# KiCad board tklc_v1_rgb.kicad_pcb
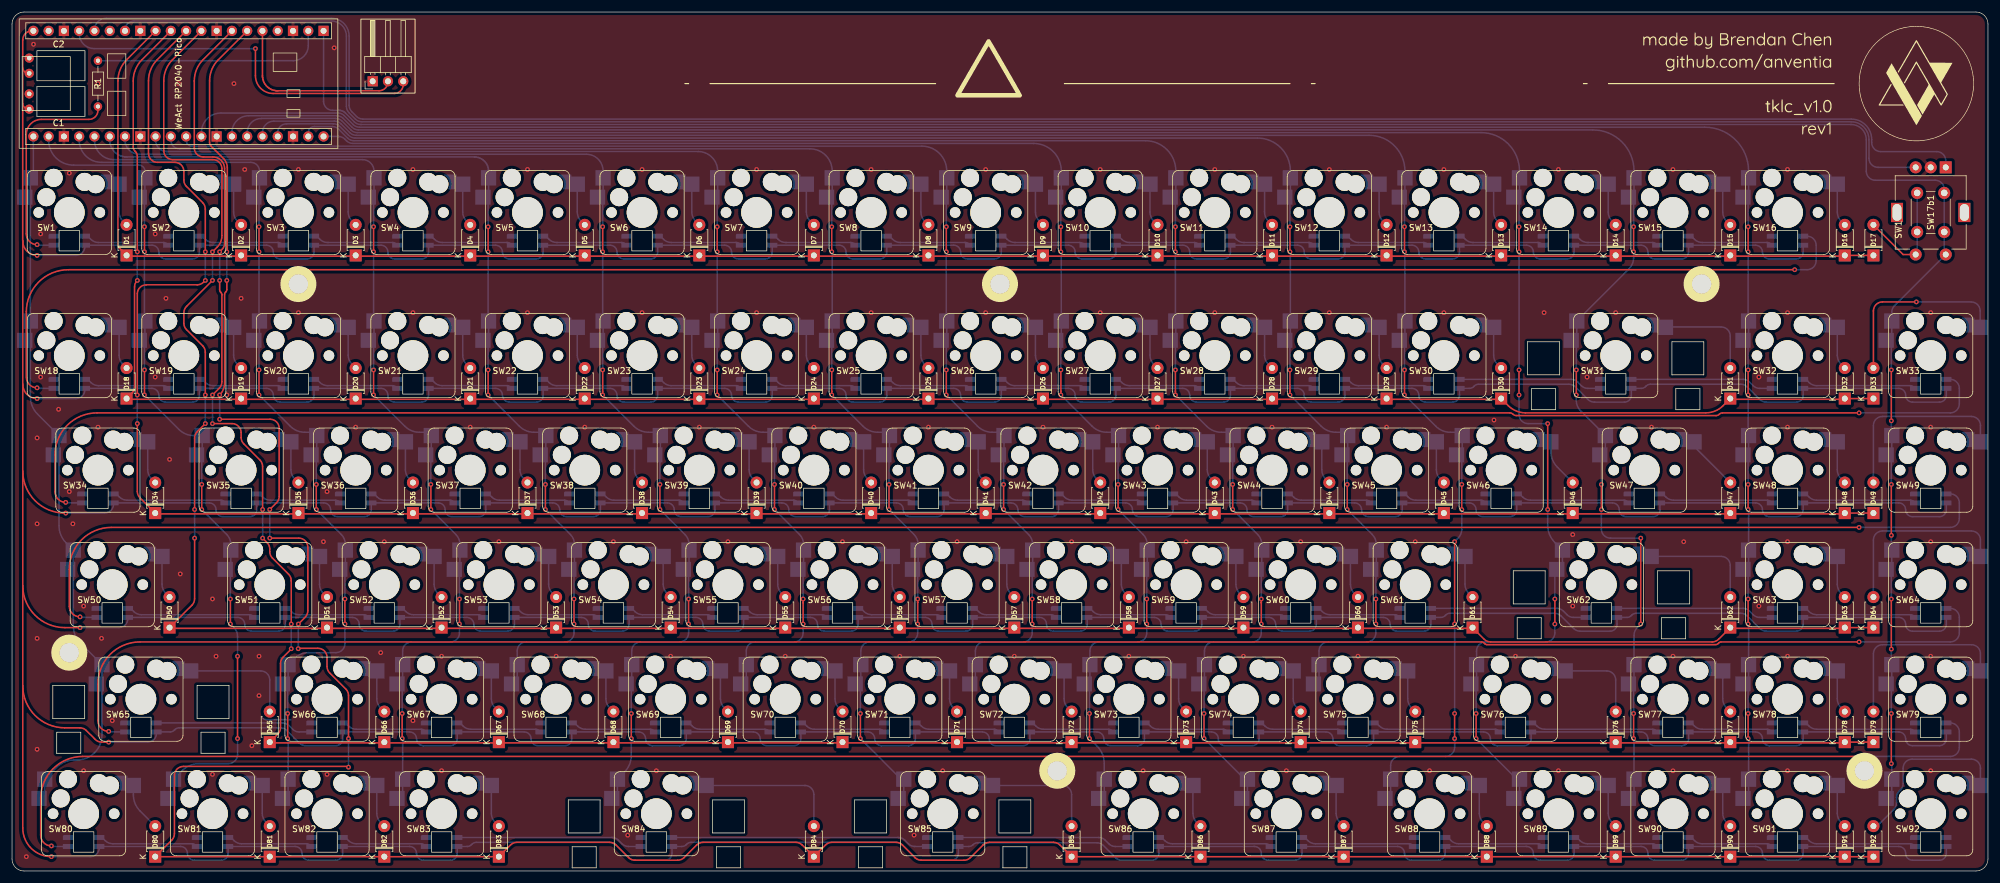
[diagram p0: board, top side]
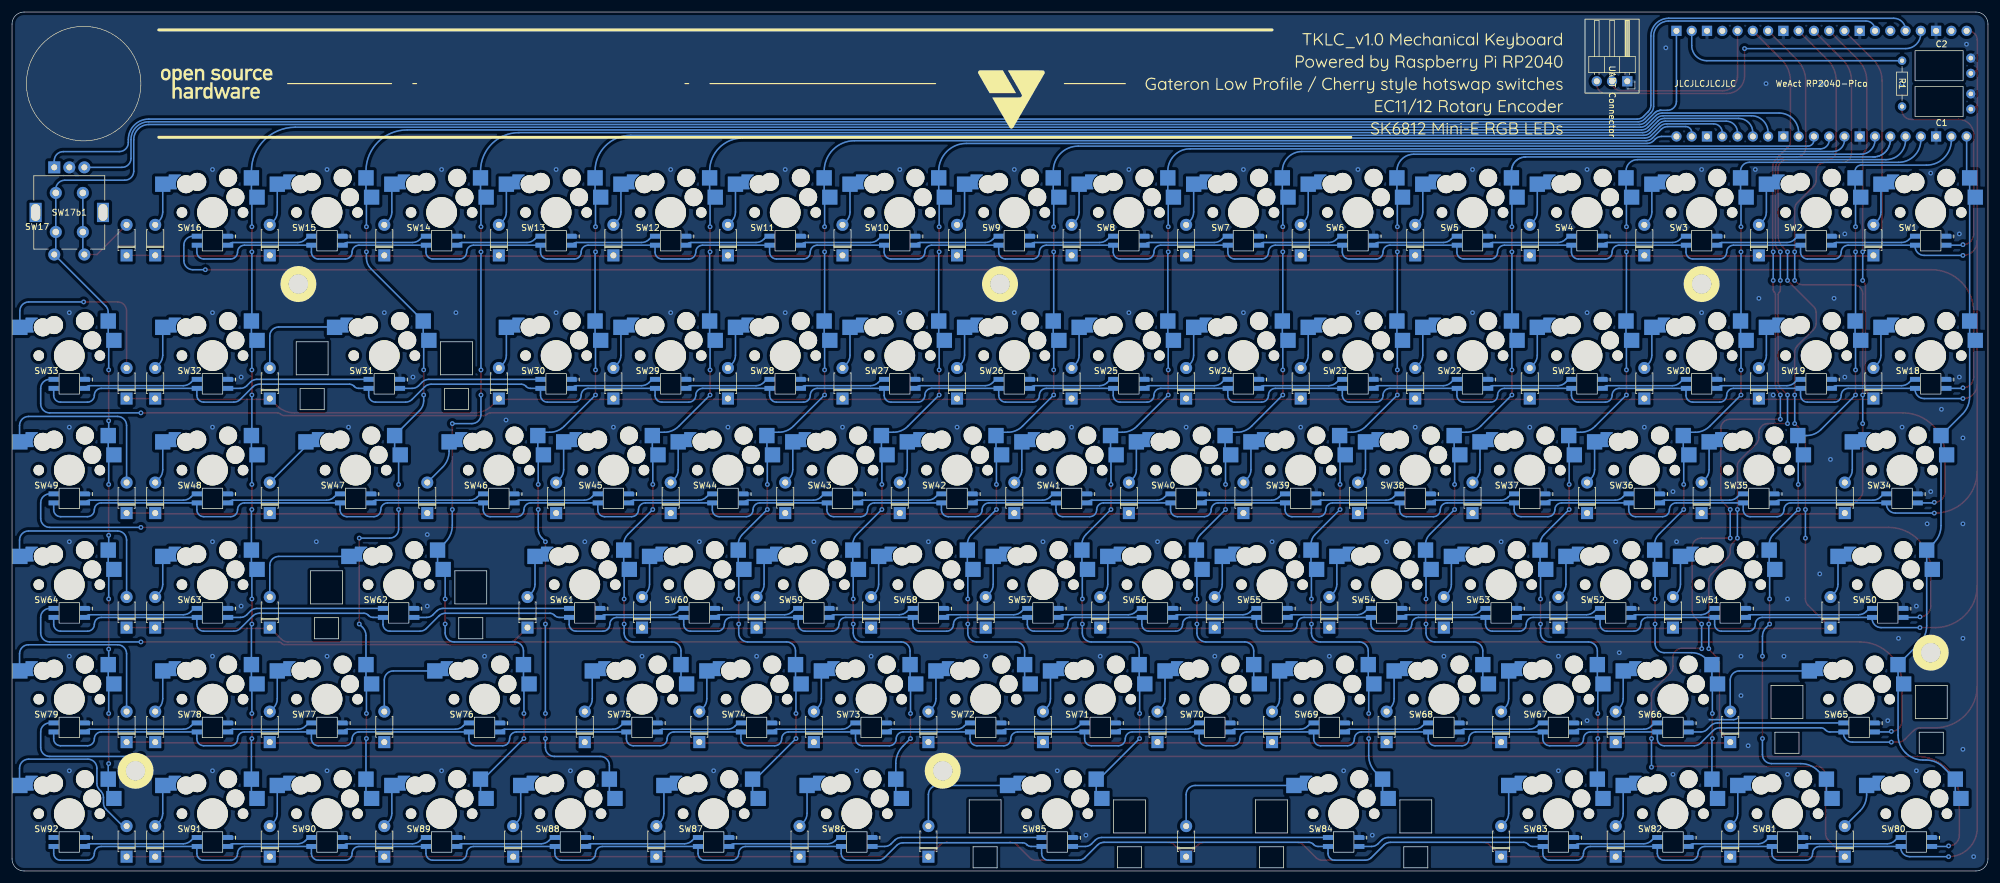
[diagram p1: board, bottom side, seen from below]

Outline 328.61 x 142.88 mm; copper layers: Top, Bottom. Coordinates in mm from the lower left corner of the outline.
Outline path: 0,140.88 arc(0.59,142.29) 2,142.88 326.61,142.88 arc(328.03,142.29) 328.61,140.88 328.61,2 arc(328.03,0.59) 326.61,0 2,0 arc(0.59,0.59) 0,2 0,140.88
Stack: Top 0.035mm / dielectric 1.51mm FR4 er 4.5 / Bottom 0.035mm

## Placement (name value [footprint] x y rotation side)
C1  10uF  [Cap_4mm_Horizontal]  4.13 127.99 0 top
C2  22uF  [Cap_4mm_Horizontal]  4.13 133.95 0 top
D1  1N4148  [D_T-1_P5.08mm_Horizontal]  19.05 102.39 90 top
D2  1N4148  [D_T-1_P5.08mm_Horizontal]  38.1 102.39 90 top
D3  1N4148  [D_T-1_P5.08mm_Horizontal]  57.15 102.39 90 top
D4  1N4148  [D_T-1_P5.08mm_Horizontal]  76.2 102.39 90 top
D5  1N4148  [D_T-1_P5.08mm_Horizontal]  95.25 102.39 90 top
D6  1N4148  [D_T-1_P5.08mm_Horizontal]  114.3 102.39 90 top
D7  1N4148  [D_T-1_P5.08mm_Horizontal]  133.35 102.39 90 top
D8  1N4148  [D_T-1_P5.08mm_Horizontal]  152.4 102.39 90 top
D9  1N4148  [D_T-1_P5.08mm_Horizontal]  171.45 102.39 90 top
D10  1N4148  [D_T-1_P5.08mm_Horizontal]  190.5 102.39 90 top
D11  1N4148  [D_T-1_P5.08mm_Horizontal]  209.55 102.39 90 top
D12  1N4148  [D_T-1_P5.08mm_Horizontal]  228.6 102.39 90 top
D13  1N4148  [D_T-1_P5.08mm_Horizontal]  247.65 102.39 90 top
D14  1N4148  [D_T-1_P5.08mm_Horizontal]  266.7 102.39 90 top
D15  1N4148  [D_T-1_P5.08mm_Horizontal]  285.75 102.39 90 top
D16  1N4148  [D_T-1_P5.08mm_Horizontal]  304.8 102.39 90 top
D17  1N4148  [D_T-1_P5.08mm_Horizontal]  309.56 102.39 90 top
D18  1N4148  [D_T-1_P5.08mm_Horizontal]  19.05 78.58 90 top
D19  1N4148  [D_T-1_P5.08mm_Horizontal]  38.1 78.58 90 top
D20  1N4148  [D_T-1_P5.08mm_Horizontal]  57.15 78.58 90 top
D21  1N4148  [D_T-1_P5.08mm_Horizontal]  76.2 78.58 90 top
D22  1N4148  [D_T-1_P5.08mm_Horizontal]  95.25 78.58 90 top
D23  1N4148  [D_T-1_P5.08mm_Horizontal]  114.3 78.58 90 top
D24  1N4148  [D_T-1_P5.08mm_Horizontal]  133.35 78.58 90 top
D25  1N4148  [D_T-1_P5.08mm_Horizontal]  152.4 78.58 90 top
D26  1N4148  [D_T-1_P5.08mm_Horizontal]  171.45 78.58 90 top
D27  1N4148  [D_T-1_P5.08mm_Horizontal]  190.5 78.58 90 top
D28  1N4148  [D_T-1_P5.08mm_Horizontal]  209.55 78.58 90 top
D29  1N4148  [D_T-1_P5.08mm_Horizontal]  228.6 78.58 90 top
D30  1N4148  [D_T-1_P5.08mm_Horizontal]  247.65 78.58 90 top
D31  1N4148  [D_T-1_P5.08mm_Horizontal]  285.75 78.58 90 top
D32  1N4148  [D_T-1_P5.08mm_Horizontal]  304.8 78.58 90 top
D33  1N4148  [D_T-1_P5.08mm_Horizontal]  309.56 78.58 90 top
D34  1N4148  [D_T-1_P5.08mm_Horizontal]  23.81 59.53 90 top
D35  1N4148  [D_T-1_P5.08mm_Horizontal]  47.63 59.53 90 top
D36  1N4148  [D_T-1_P5.08mm_Horizontal]  66.68 59.53 90 top
D37  1N4148  [D_T-1_P5.08mm_Horizontal]  85.73 59.53 90 top
D38  1N4148  [D_T-1_P5.08mm_Horizontal]  104.78 59.53 90 top
D39  1N4148  [D_T-1_P5.08mm_Horizontal]  123.83 59.53 90 top
D40  1N4148  [D_T-1_P5.08mm_Horizontal]  142.88 59.53 90 top
D41  1N4148  [D_T-1_P5.08mm_Horizontal]  161.93 59.53 90 top
D42  1N4148  [D_T-1_P5.08mm_Horizontal]  180.98 59.53 90 top
D43  1N4148  [D_T-1_P5.08mm_Horizontal]  200.03 59.53 90 top
D44  1N4148  [D_T-1_P5.08mm_Horizontal]  219.08 59.53 90 top
D45  1N4148  [D_T-1_P5.08mm_Horizontal]  238.13 59.53 90 top
D46  1N4148  [D_T-1_P5.08mm_Horizontal]  259.56 59.53 90 top
D47  1N4148  [D_T-1_P5.08mm_Horizontal]  285.75 59.53 90 top
D48  1N4148  [D_T-1_P5.08mm_Horizontal]  304.8 59.53 90 top
D49  1N4148  [D_T-1_P5.08mm_Horizontal]  309.56 59.53 90 top
D50  1N4148  [D_T-1_P5.08mm_Horizontal]  26.19 40.48 90 top
D51  1N4148  [D_T-1_P5.08mm_Horizontal]  52.39 40.48 90 top
D52  1N4148  [D_T-1_P5.08mm_Horizontal]  71.44 40.48 90 top
D53  1N4148  [D_T-1_P5.08mm_Horizontal]  90.49 40.48 90 top
D54  1N4148  [D_T-1_P5.08mm_Horizontal]  109.54 40.48 90 top
D55  1N4148  [D_T-1_P5.08mm_Horizontal]  128.59 40.48 90 top
D56  1N4148  [D_T-1_P5.08mm_Horizontal]  147.64 40.48 90 top
D57  1N4148  [D_T-1_P5.08mm_Horizontal]  166.69 40.48 90 top
D58  1N4148  [D_T-1_P5.08mm_Horizontal]  185.74 40.48 90 top
D59  1N4148  [D_T-1_P5.08mm_Horizontal]  204.79 40.48 90 top
D60  1N4148  [D_T-1_P5.08mm_Horizontal]  223.84 40.48 90 top
D61  1N4148  [D_T-1_P5.08mm_Horizontal]  242.89 40.48 90 top
D62  1N4148  [D_T-1_P5.08mm_Horizontal]  285.75 40.48 90 top
D63  1N4148  [D_T-1_P5.08mm_Horizontal]  304.8 40.48 90 top
D64  1N4148  [D_T-1_P5.08mm_Horizontal]  309.56 40.48 90 top
D65  1N4148  [D_T-1_P5.08mm_Horizontal]  42.86 21.43 90 top
D66  1N4148  [D_T-1_P5.08mm_Horizontal]  61.91 21.43 90 top
D67  1N4148  [D_T-1_P5.08mm_Horizontal]  80.96 21.43 90 top
D68  1N4148  [D_T-1_P5.08mm_Horizontal]  100.01 21.43 90 top
D69  1N4148  [D_T-1_P5.08mm_Horizontal]  119.06 21.43 90 top
D70  1N4148  [D_T-1_P5.08mm_Horizontal]  138.11 21.43 90 top
D71  1N4148  [D_T-1_P5.08mm_Horizontal]  157.16 21.43 90 top
D72  1N4148  [D_T-1_P5.08mm_Horizontal]  176.21 21.43 90 top
D73  1N4148  [D_T-1_P5.08mm_Horizontal]  195.26 21.43 90 top
D74  1N4148  [D_T-1_P5.08mm_Horizontal]  214.31 21.43 90 top
D75  1N4148  [D_T-1_P5.08mm_Horizontal]  233.36 21.43 90 top
D76  1N4148  [D_T-1_P5.08mm_Horizontal]  266.7 21.43 90 top
D77  1N4148  [D_T-1_P5.08mm_Horizontal]  285.75 21.43 90 top
D78  1N4148  [D_T-1_P5.08mm_Horizontal]  304.8 21.43 90 top
D79  1N4148  [D_T-1_P5.08mm_Horizontal]  309.56 21.43 90 top
D80  1N4148  [D_T-1_P5.08mm_Horizontal]  23.81 2.38 90 top
D81  1N4148  [D_T-1_P5.08mm_Horizontal]  42.86 2.38 90 top
D82  1N4148  [D_T-1_P5.08mm_Horizontal]  61.91 2.38 90 top
D83  1N4148  [D_T-1_P5.08mm_Horizontal]  80.96 2.38 90 top
D84  1N4148  [D_T-1_P5.08mm_Horizontal]  133.35 2.38 90 top
D85  1N4148  [D_T-1_P5.08mm_Horizontal]  176.21 2.38 90 top
D86  1N4148  [D_T-1_P5.08mm_Horizontal]  197.64 2.38 90 top
D87  1N4148  [D_T-1_P5.08mm_Horizontal]  221.46 2.38 90 top
D88  1N4148  [D_T-1_P5.08mm_Horizontal]  245.27 2.38 90 top
D89  1N4148  [D_T-1_P5.08mm_Horizontal]  266.7 2.38 90 top
D90  1N4148  [D_T-1_P5.08mm_Horizontal]  285.75 2.38 90 top
D91  1N4148  [D_T-1_P5.08mm_Horizontal]  304.8 2.38 90 top
D92  1N4148  [D_T-1_P5.08mm_Horizontal]  309.56 2.38 90 top
G***  -  [LOGO]  164.31 130.97 0 top
G***#2  -  [LOGO]  164.31 164.31 0 top
G***#3  -  [LOGO]  316.71 130.97 0 top
G***#4  -  [LOGO]  286.94 130.97 0 top
G***#5  -  [LOGO]  316.71 130.97 0 top
G***#6  -  [LOGO]  316.71 130.97 180 bottom
G***#7  -  [LOGO]  164.31 130.97 180 bottom
G***#8  -  [LOGO]  294.68 130.97 180 bottom
G***#9  -  [LOGO]  117.8 130.97 180 bottom
Ge  -  [LOGO]  164.31 130.97 0 top
Ge#2  -  [LOGO]  164.31 130.97 180 bottom
Kailh PG1350  Choc  [kailh_Stabilizer]  266.7 85.73 180 top
Kailh PG1350#2  Choc  [kailh_Stabilizer]  107.16 9.53 180 top
Kailh PG1350#3  Choc  [kailh_Stabilizer]  154.78 9.53 180 top
Kailh PG1350#4  Choc  [kailh_Stabilizer]  264.32 47.63 180 top
Kailh PG1350#5  Choc  [kailh_Stabilizer]  21.43 28.58 180 top
R1  500R  [R_Axial_DIN0204_L3.6mm_D1.6mm_P7.62mm_Horizontal]  14.29 134.78 270 top
REF**  -  [MountingHole]  9.53 36.31 0 top
REF**#2  -  [MountingHole]  308.07 16.67 0 top
REF**#3  -  [MountingHole]  47.63 97.63 0 top
REF**#4  -  [MountingHole]  173.83 16.67 0 top
REF**#5  -  [MountingHole]  280.99 97.63 0 top
REF**#6  -  [MountingHole]  164.31 97.63 0 top
SW1  CherryMX_LED  [CMX-GLP_Hotswap_RGB_1.00u]  9.53 109.54 0 top
SW2  CherryMX_LED  [CMX-GLP_Hotswap_RGB_1.00u]  28.58 109.54 0 top
SW3  CherryMX_LED  [CMX-GLP_Hotswap_RGB_1.00u]  47.63 109.54 0 top
SW4  CherryMX_LED  [CMX-GLP_Hotswap_RGB_1.00u]  66.68 109.54 0 top
SW5  CherryMX_LED  [CMX-GLP_Hotswap_RGB_1.00u]  85.73 109.54 0 top
SW6  CherryMX_LED  [CMX-GLP_Hotswap_RGB_1.00u]  104.78 109.54 0 top
SW7  CherryMX_LED  [CMX-GLP_Hotswap_RGB_1.00u]  123.83 109.54 0 top
SW8  CherryMX_LED  [CMX-GLP_Hotswap_RGB_1.00u]  142.88 109.54 0 top
SW9  CherryMX_LED  [CMX-GLP_Hotswap_RGB_1.00u]  161.93 109.54 0 top
SW10  CherryMX_LED  [CMX-GLP_Hotswap_RGB_1.00u]  180.98 109.54 0 top
SW11  CherryMX_LED  [CMX-GLP_Hotswap_RGB_1.00u]  200.03 109.54 0 top
SW12  CherryMX_LED  [CMX-GLP_Hotswap_RGB_1.00u]  219.08 109.54 0 top
SW13  CherryMX_LED  [CMX-GLP_Hotswap_RGB_1.00u]  238.13 109.54 0 top
SW14  CherryMX_LED  [CMX-GLP_Hotswap_RGB_1.00u]  257.18 109.54 0 top
SW15  CherryMX_LED  [CMX-GLP_Hotswap_RGB_1.00u]  276.23 109.54 0 top
SW16  CherryMX_LED  [CMX-GLP_Hotswap_RGB_1.00u]  295.28 109.54 0 top
SW17  RotaryEncoder_Switch  [EDIT_RotaryEncoder_Alps_EC11E-Switch_Vertical_H20mm]  319.09 109.54 270 top
SW17b1  SW_Push  [SW_PUSH_6mm]  321.34 112.79 270 top
SW18  CherryMX_LED  [CMX-GLP_Hotswap_RGB_1.00u]  9.53 85.73 0 top
SW19  CherryMX_LED  [CMX-GLP_Hotswap_RGB_1.00u]  28.58 85.73 0 top
SW20  CherryMX_LED  [CMX-GLP_Hotswap_RGB_1.00u]  47.63 85.73 0 top
SW21  CherryMX_LED  [CMX-GLP_Hotswap_RGB_1.00u]  66.68 85.73 0 top
SW22  CherryMX_LED  [CMX-GLP_Hotswap_RGB_1.00u]  85.73 85.73 0 top
SW23  CherryMX_LED  [CMX-GLP_Hotswap_RGB_1.00u]  104.78 85.73 0 top
SW24  CherryMX_LED  [CMX-GLP_Hotswap_RGB_1.00u]  123.83 85.73 0 top
SW25  CherryMX_LED  [CMX-GLP_Hotswap_RGB_1.00u]  142.88 85.73 0 top
SW26  CherryMX_LED  [CMX-GLP_Hotswap_RGB_1.00u]  161.93 85.73 0 top
SW27  CherryMX_LED  [CMX-GLP_Hotswap_RGB_1.00u]  180.98 85.73 0 top
SW28  CherryMX_LED  [CMX-GLP_Hotswap_RGB_1.00u]  200.03 85.73 0 top
SW29  CherryMX_LED  [CMX-GLP_Hotswap_RGB_1.00u]  219.08 85.73 0 top
SW30  CherryMX_LED  [CMX-GLP_Hotswap_RGB_1.00u]  238.13 85.73 0 top
SW31  CherryMX_LED  [CMX-GLP_Hotswap_RGB_2.00u]  266.7 85.73 0 top
SW32  CherryMX_LED  [CMX-GLP_Hotswap_RGB_1.00u]  295.28 85.73 0 top
SW33  CherryMX_LED  [CMX-GLP_Hotswap_RGB_1.00u#2]  319.09 85.73 0 top
SW34  CherryMX_LED  [CMX-GLP_Hotswap_RGB_1.50u]  14.29 66.68 0 top
SW35  CherryMX_LED  [CMX-GLP_Hotswap_RGB_1.00u]  38.1 66.68 0 top
SW36  CherryMX_LED  [CMX-GLP_Hotswap_RGB_1.00u]  57.15 66.68 0 top
SW37  CherryMX_LED  [CMX-GLP_Hotswap_RGB_1.00u]  76.2 66.68 0 top
SW38  CherryMX_LED  [CMX-GLP_Hotswap_RGB_1.00u]  95.25 66.68 0 top
SW39  CherryMX_LED  [CMX-GLP_Hotswap_RGB_1.00u]  114.3 66.68 0 top
SW40  CherryMX_LED  [CMX-GLP_Hotswap_RGB_1.00u]  133.35 66.68 0 top
SW41  CherryMX_LED  [CMX-GLP_Hotswap_RGB_1.00u]  152.4 66.68 0 top
SW42  CherryMX_LED  [CMX-GLP_Hotswap_RGB_1.00u]  171.45 66.68 0 top
SW43  CherryMX_LED  [CMX-GLP_Hotswap_RGB_1.00u]  190.5 66.68 0 top
SW44  CherryMX_LED  [CMX-GLP_Hotswap_RGB_1.00u]  209.55 66.68 0 top
SW45  CherryMX_LED  [CMX-GLP_Hotswap_RGB_1.00u]  228.6 66.68 0 top
SW46  CherryMX_LED  [CMX-GLP_Hotswap_RGB_1.00u]  247.65 66.68 0 top
SW47  CherryMX_LED  [CMX-GLP_Hotswap_RGB_1.50u]  271.46 66.68 0 top
SW48  CherryMX_LED  [CMX-GLP_Hotswap_RGB_1.00u]  295.28 66.68 0 top
SW49  CherryMX_LED  [CMX-GLP_Hotswap_RGB_1.00u#2]  319.09 66.68 0 top
SW50  CherryMX_LED  [CMX-GLP_Hotswap_RGB_1.75u]  16.67 47.63 0 top
SW51  CherryMX_LED  [CMX-GLP_Hotswap_RGB_1.00u]  42.86 47.63 0 top
SW52  CherryMX_LED  [CMX-GLP_Hotswap_RGB_1.00u]  61.91 47.63 0 top
SW53  CherryMX_LED  [CMX-GLP_Hotswap_RGB_1.00u]  80.96 47.63 0 top
SW54  CherryMX_LED  [CMX-GLP_Hotswap_RGB_1.00u]  100.01 47.63 0 top
SW55  CherryMX_LED  [CMX-GLP_Hotswap_RGB_1.00u]  119.06 47.63 0 top
SW56  CherryMX_LED  [CMX-GLP_Hotswap_RGB_1.00u]  138.11 47.63 0 top
SW57  CherryMX_LED  [CMX-GLP_Hotswap_RGB_1.00u]  157.16 47.63 0 top
SW58  CherryMX_LED  [CMX-GLP_Hotswap_RGB_1.00u]  176.21 47.63 0 top
SW59  CherryMX_LED  [CMX-GLP_Hotswap_RGB_1.00u]  195.26 47.63 0 top
SW60  CherryMX_LED  [CMX-GLP_Hotswap_RGB_1.00u]  214.31 47.63 0 top
SW61  CherryMX_LED  [CMX-GLP_Hotswap_RGB_1.00u]  233.36 47.63 0 top
SW62  CherryMX_LED  [CMX-GLP_Hotswap_RGB_2.25u]  264.32 47.63 0 top
SW63  CherryMX_LED  [CMX-GLP_Hotswap_RGB_1.00u]  295.28 47.63 0 top
SW64  CherryMX_LED  [CMX-GLP_Hotswap_RGB_1.00u#2]  319.09 47.63 0 top
SW65  CherryMX_LED  [CMX-GLP_Hotswap_RGB_2.25u]  21.43 28.58 0 top
SW66  CherryMX_LED  [CMX-GLP_Hotswap_RGB_1.00u]  52.39 28.58 0 top
SW67  CherryMX_LED  [CMX-GLP_Hotswap_RGB_1.00u]  71.44 28.58 0 top
SW68  CherryMX_LED  [CMX-GLP_Hotswap_RGB_1.00u]  90.49 28.58 0 top
SW69  CherryMX_LED  [CMX-GLP_Hotswap_RGB_1.00u]  109.54 28.58 0 top
SW70  CherryMX_LED  [CMX-GLP_Hotswap_RGB_1.00u]  128.59 28.58 0 top
SW71  CherryMX_LED  [CMX-GLP_Hotswap_RGB_1.00u]  147.64 28.58 0 top
SW72  CherryMX_LED  [CMX-GLP_Hotswap_RGB_1.00u]  166.69 28.58 0 top
SW73  CherryMX_LED  [CMX-GLP_Hotswap_RGB_1.00u]  185.74 28.58 0 top
SW74  CherryMX_LED  [CMX-GLP_Hotswap_RGB_1.00u]  204.79 28.58 0 top
SW75  CherryMX_LED  [CMX-GLP_Hotswap_RGB_1.00u]  223.84 28.58 0 top
SW76  CherryMX_LED  [CMX-GLP_Hotswap_RGB_1.75u]  250.03 28.58 0 top
SW77  CherryMX_LED  [CMX-GLP_Hotswap_RGB_1.00u]  276.23 28.58 0 top
SW78  CherryMX_LED  [CMX-GLP_Hotswap_RGB_1.00u]  295.28 28.58 0 top
SW79  CherryMX_LED  [CMX-GLP_Hotswap_RGB_1.00u#2]  319.09 28.58 0 top
SW80  CherryMX_LED  [CMX-GLP_Hotswap_RGB_1.25u]  11.91 9.53 0 top
SW81  CherryMX_LED  [CMX-GLP_Hotswap_RGB_1.00u]  33.34 9.53 0 top
SW82  CherryMX_LED  [CMX-GLP_Hotswap_RGB_1.00u]  52.39 9.53 0 top
SW83  CherryMX_LED  [CMX-GLP_Hotswap_RGB_1.00u]  71.44 9.53 0 top
SW84  CherryMX_LED  [CMX-GLP_Hotswap_RGB_2.75u]  107.16 9.53 0 top
SW85  CherryMX_LED  [CMX-GLP_Hotswap_RGB_2.25u]  154.78 9.53 0 top
SW86  CherryMX_LED  [CMX-GLP_Hotswap_RGB_1.25u]  188.12 9.53 0 top
SW87  CherryMX_LED  [CMX-GLP_Hotswap_RGB_1.25u]  211.93 9.53 0 top
SW88  CherryMX_LED  [CMX-GLP_Hotswap_RGB_1.25u]  235.74 9.53 0 top
SW89  CherryMX_LED  [CMX-GLP_Hotswap_RGB_1.00u]  257.18 9.53 0 top
SW90  CherryMX_LED  [CMX-GLP_Hotswap_RGB_1.00u]  276.23 9.53 0 top
SW91  CherryMX_LED  [CMX-GLP_Hotswap_RGB_1.00u]  295.28 9.53 0 top
SW92  CherryMX_LED  [CMX-GLP_Hotswap_RGB_1.00u#2]  319.09 9.53 0 top
UART Connector  UART breakout for extension board  [PinHeader_1x03_P2.54mm_Horizontal]  59.98 131.36 90 top
WeAct RP2040-Pico  -  [WeAct-RP2040-Pico]  27.69 130.97 90 top

## Footprints (pads in the part's own frame, mm; a bottom-side part is the same pattern mirrored in y, then rotated)
Cap_4mm_Horizontal
  round 1.524 hole 0.762: 1(-1.27,-1.27) 2(-1.27,1.27)
CMX-GLP_Hotswap_RGB_1.00u
  round 1.75 hole 1.75 unplated: (-5.08,0) (5.08,0)
  round 3 hole 3 unplated: (-3.81,2.54) (-2.6,5.75) (2.54,5.08) (4.4,4.7)
  round 5.1 hole 5.1 unplated: (0,0)
  custom 2.075x2.5 smd far side: 1(6.015,5.08)
  rect 2.55x2.55 smd far side: 1(8.275,4.7) 2(-6.475,5.75)
  rect 2.55x2.5 smd far side: 2(-7.41,2.54)
  rect 1.7x0.82 smd far side: 3(2.6,-5.45) 4(-2.6,-5.45) 5(2.6,-3.95)
  rrect 1.7x0.82 smd far side: 6(-2.6,-3.95)
CMX-GLP_Hotswap_RGB_1.00u#2
  round 1.75 hole 1.75 unplated: (-5.08,0) (5.08,0)
  round 3 hole 3 unplated: (-3.81,2.54) (-2.6,5.75) (2.54,5.08) (4.4,4.7)
  round 5.1 hole 5.1 unplated: (0,0)
  custom 2.075x2.5 smd far side: 1(6.015,5.08)
  rect 2.55x2.55 smd far side: 1(8.225,4.7) 2(-6.475,5.75)
  rect 2.55x2.5 smd far side: 2(-7.41,2.54)
  rect 1.7x0.82 smd far side: 3(2.6,-5.45) 4(-2.6,-5.45) 5(2.6,-3.95)
  rrect 1.7x0.82 smd far side: 6(-2.6,-3.95)
CMX-GLP_Hotswap_RGB_1.25u
  round 1.75 hole 1.75 unplated: (-5.08,0) (5.08,0)
  round 3 hole 3 unplated: (-3.81,2.54) (-2.6,5.75) (2.54,5.08) (4.4,4.7)
  round 5.1 hole 5.1 unplated: (0,0)
  custom 2.075x2.5 smd far side: 1(6.015,5.08)
  rect 2.55x2.55 smd far side: 1(8.275,4.7) 2(-6.475,5.75)
  rect 2.55x2.5 smd far side: 2(-7.41,2.54)
  rect 1.7x0.82 smd far side: 3(2.6,-5.45) 4(-2.6,-5.45) 5(2.6,-3.95)
  rrect 1.7x0.82 smd far side: 6(-2.6,-3.95)
CMX-GLP_Hotswap_RGB_1.50u
  round 1.75 hole 1.75 unplated: (-5.08,0) (5.08,0)
  round 3 hole 3 unplated: (-3.81,2.54) (-2.6,5.75) (2.54,5.08) (4.4,4.7)
  round 5.1 hole 5.1 unplated: (0,0)
  custom 2.075x2.5 smd far side: 1(6.015,5.08)
  rect 2.55x2.55 smd far side: 1(8.275,4.7) 2(-6.475,5.75)
  rect 2.55x2.5 smd far side: 2(-7.41,2.54)
  rect 1.7x0.82 smd far side: 3(2.6,-5.45) 4(-2.6,-5.45) 5(2.6,-3.95)
  rrect 1.7x0.82 smd far side: 6(-2.6,-3.95)
CMX-GLP_Hotswap_RGB_1.75u
  round 1.75 hole 1.75 unplated: (-5.08,0) (5.08,0)
  round 3 hole 3 unplated: (-3.81,2.54) (-2.6,5.75) (2.54,5.08) (4.4,4.7)
  round 5.1 hole 5.1 unplated: (0,0)
  custom 2.075x2.5 smd far side: 1(6.015,5.08)
  rect 2.55x2.55 smd far side: 1(8.275,4.7) 2(-6.475,5.75)
  rect 2.55x2.5 smd far side: 2(-7.41,2.54)
  rect 1.7x0.82 smd far side: 3(2.6,-5.45) 4(-2.6,-5.45) 5(2.6,-3.95)
  rrect 1.7x0.82 smd far side: 6(-2.6,-3.95)
CMX-GLP_Hotswap_RGB_2.00u
  round 1.75 hole 1.75 unplated: (-5.08,0) (5.08,0)
  round 3 hole 3 unplated: (-3.81,2.54) (-2.6,5.75) (2.54,5.08) (4.4,4.7)
  round 5.1 hole 5.1 unplated: (0,0)
  custom 2.075x2.5 smd far side: 1(6.015,5.08)
  rect 2.55x2.55 smd far side: 1(8.275,4.7) 2(-6.475,5.75)
  rect 2.55x2.5 smd far side: 2(-7.41,2.54)
  rect 1.7x0.82 smd far side: 3(2.6,-5.45) 4(-2.6,-5.45) 5(2.6,-3.95)
  rrect 1.7x0.82 smd far side: 6(-2.6,-3.95)
CMX-GLP_Hotswap_RGB_2.25u
  round 1.75 hole 1.75 unplated: (-5.08,0) (5.08,0)
  round 3 hole 3 unplated: (-3.81,2.54) (-2.6,5.75) (2.54,5.08) (4.4,4.7)
  round 5.1 hole 5.1 unplated: (0,0)
  custom 2.075x2.5 smd far side: 1(6.015,5.08)
  rect 2.55x2.55 smd far side: 1(8.275,4.7) 2(-6.475,5.75)
  rect 2.55x2.5 smd far side: 2(-7.41,2.54)
  rect 1.7x0.82 smd far side: 3(2.6,-5.45) 4(-2.6,-5.45) 5(2.6,-3.95)
  rrect 1.7x0.82 smd far side: 6(-2.6,-3.95)
CMX-GLP_Hotswap_RGB_2.75u
  round 1.75 hole 1.75 unplated: (-5.08,0) (5.08,0)
  round 3 hole 3 unplated: (-3.81,2.54) (-2.6,5.75) (2.54,5.08) (4.4,4.7)
  round 5.1 hole 5.1 unplated: (0,0)
  custom 2.075x2.5 smd far side: 1(6.015,5.08)
  rect 2.55x2.55 smd far side: 1(8.275,4.7) 2(-6.475,5.75)
  rect 2.55x2.5 smd far side: 2(-7.41,2.54)
  rect 1.7x0.82 smd far side: 3(2.6,-5.45) 4(-2.6,-5.45) 5(2.6,-3.95)
  rrect 1.7x0.82 smd far side: 6(-2.6,-3.95)
D_T-1_P5.08mm_Horizontal
  rect 2x2 hole 1: 1(0,0)
  oval 2x2 hole 1: 2(5.08,0)
EDIT_RotaryEncoder_Alps_EC11E-Switch_Vertical_H20mm
  rect 2x2 hole 1: A(-7.5,2.5)
  round 2 hole 1: B(-7.5,-2.5) C(-7.5,0) S1(7,2.5) S2(7,-2.5)
  rect 3.2x2 hole 2.8x1.5: MP(0,5.6) MP(0,-5.6)
MountingHole
  round 3.2 hole 3.2 unplated: (0,0)
PinHeader_1x03_P2.54mm_Horizontal
  rect 1.7x1.7 hole 1: 1(0,0)
  oval 1.7x1.7 hole 1: 2(0,-2.54) 3(0,-5.08)
R_Axial_DIN0204_L3.6mm_D1.6mm_P7.62mm_Horizontal
  round 1.4 hole 0.7: 1(0,0)
  oval 1.4x1.4 hole 0.7: 2(7.62,0)
SW_PUSH_6mm
  round 2 hole 1.1: 1(0,0) 1(6.5,0) 2(0,-4.5) 2(6.5,-4.5)
WeAct-RP2040-Pico
  round 1.7 hole 1: 1(-8.79,24.142) 40(8.774,24.142)
  oval 1.7x1.7 hole 1: 2(-8.79,21.602) 4(-8.79,16.522) 5(-8.79,13.982) 6(-8.79,11.442) 7(-8.79,8.902) 9(-8.79,3.822) 10(-8.79,1.282) 11(-8.79,-1.258) 12(-8.79,-3.798) 14(-8.79,-8.878) 15(-8.79,-11.418) 16(-8.79,-13.958) 17(-8.79,-16.498) 19(-8.79,-21.578) 20(-8.79,-24.118) 22(8.774,-21.578) 24(8.774,-16.498) 25(8.774,-13.958) 26(8.774,-11.418) 27(8.774,-8.878) 29(8.774,-3.798) 30(8.774,-1.258) 31(8.774,1.282) 32(8.774,3.822) 34(8.774,8.902) 35(8.774,11.442) 36(8.774,13.982) 37(8.774,16.522) 39(8.774,21.602)
  rect 1.7x1.7 hole 1: 3(-8.79,19.062) 8(-8.79,6.362) 13(-8.79,-6.338) 18(-8.79,-19.038) 21(8.774,-24.118) 23(8.774,-19.038) 28(8.774,-6.338) 33(8.774,6.362) 38(8.774,19.062)

## Nets
/3V3: UART Connector.3 WeAct RP2040-Pico.37
GND: C1.2 C2.2 SW1.6 SW2.6 SW3.6 SW4.6 SW5.6 SW6.6 SW7.6 SW8.6 SW9.6 SW10.6 SW11.6 SW12.6 SW13.6 SW14.6 SW15.6 SW16.6 SW17.C SW18.6 SW19.6 SW20.6 SW21.6 SW22.6 SW23.6 SW24.6 SW25.6 SW26.6 SW27.6 SW28.6 SW29.6 SW30.6 SW31.6 SW32.6 SW33.6 SW34.6 SW35.6 SW36.6 SW37.6 SW38.6 SW39.6 SW40.6 SW41.6 SW42.6 SW43.6 SW44.6 SW45.6 SW46.6 SW47.6 SW48.6 SW49.6 SW50.6 SW51.6 SW52.6 SW53.6 SW54.6 SW55.6 SW56.6 SW57.6 SW58.6 SW59.6 SW60.6 SW61.6 SW62.6 SW63.6 SW64.6 SW65.6 SW66.6 SW67.6 SW68.6 SW69.6 SW70.6 SW71.6 SW72.6 SW73.6 SW74.6 SW75.6 SW76.6 SW77.6 SW78.6 SW79.6 SW80.6 SW81.6 SW82.6 SW83.6 SW84.6 SW85.6 SW86.6 SW87.6 SW88.6 SW89.6 SW90.6 SW91.6 SW92.6 UART Connector.1 WeAct RP2040-Pico.3 WeAct RP2040-Pico.8 WeAct RP2040-Pico.13 WeAct RP2040-Pico.18 WeAct RP2040-Pico.23 WeAct RP2040-Pico.28 WeAct RP2040-Pico.33 WeAct RP2040-Pico.38
/ADC_VREF: WeAct RP2040-Pico.35
/col0: SW1.2 SW18.2 SW34.2 SW50.2 SW65.2 SW80.2 WeAct RP2040-Pico.1
/col1: SW2.2 SW19.2 SW35.2 SW51.2 SW81.2 WeAct RP2040-Pico.2
/col2: SW3.2 SW20.2 SW36.2 SW52.2 SW66.2 SW82.2 WeAct RP2040-Pico.4
/col3: SW4.2 SW21.2 SW37.2 SW53.2 SW67.2 SW83.2 WeAct RP2040-Pico.5
/col4: SW5.2 SW22.2 SW38.2 SW54.2 SW68.2 WeAct RP2040-Pico.6
/col5: SW6.2 SW23.2 SW39.2 SW55.2 SW69.2 SW84.2 WeAct RP2040-Pico.7
/col6: SW7.2 SW24.2 SW40.2 SW56.2 SW70.2 WeAct RP2040-Pico.9
/col7: SW8.2 SW25.2 SW41.2 SW57.2 SW71.2 SW85.2 WeAct RP2040-Pico.10
/col8: SW9.2 SW26.2 SW42.2 SW58.2 SW72.2 WeAct RP2040-Pico.11
/col9: SW10.2 SW27.2 SW43.2 SW59.2 SW73.2 SW86.2 WeAct RP2040-Pico.20
/col10: SW11.2 SW28.2 SW44.2 SW60.2 SW74.2 SW87.2 WeAct RP2040-Pico.19
/col11: SW12.2 SW29.2 SW45.2 SW61.2 SW75.2 WeAct RP2040-Pico.17
/col12: SW13.2 SW30.2 SW46.2 SW88.2 WeAct RP2040-Pico.16
/col13: SW14.2 SW62.2 SW76.2 SW89.2 WeAct RP2040-Pico.15
/col14: SW15.2 SW31.2 SW47.2 SW77.2 SW90.2 WeAct RP2040-Pico.14
/col15: SW16.2 SW32.2 SW48.2 SW63.2 SW78.2 SW91.2 WeAct RP2040-Pico.12
/col16: SW17.S1 SW17b1.1 SW33.2 SW49.2 SW64.2 SW79.2 SW92.2 WeAct RP2040-Pico.21
/EncoderA: SW17.A WeAct RP2040-Pico.36
/EncoderB: SW17.B WeAct RP2040-Pico.34
/LED_CONTROL: WeAct RP2040-Pico.24
/RGB_DATA: R1.2 SW1.4
/RGB_PWR: C1.1 C2.1 SW1.3 SW2.3 SW3.3 SW4.3 SW5.3 SW6.3 SW7.3 SW8.3 SW9.3 SW10.3 SW11.3 SW12.3 SW13.3 SW14.3 SW15.3 SW16.3 SW18.3 SW19.3 SW20.3 SW21.3 SW22.3 SW23.3 SW24.3 SW25.3 SW26.3 SW27.3 SW28.3 SW29.3 SW30.3 SW31.3 SW32.3 SW33.3 SW34.3 SW35.3 SW36.3 SW37.3 SW38.3 SW39.3 SW40.3 SW41.3 SW42.3 SW43.3 SW44.3 SW45.3 SW46.3 SW47.3 SW48.3 SW49.3 SW50.3 SW51.3 SW52.3 SW53.3 SW54.3 SW55.3 SW56.3 SW57.3 SW58.3 SW59.3 SW60.3 SW61.3 SW62.3 SW63.3 SW64.3 SW65.3 SW66.3 SW67.3 SW68.3 SW69.3 SW70.3 SW71.3 SW72.3 SW73.3 SW74.3 SW75.3 SW76.3 SW77.3 SW78.3 SW79.3 SW80.3 SW81.3 SW82.3 SW83.3 SW84.3 SW85.3 SW86.3 SW87.3 SW88.3 SW89.3 SW90.3 SW91.3 SW92.3 WeAct RP2040-Pico.40
/row0: D1.1 D2.1 D3.1 D4.1 D5.1 D6.1 D7.1 D8.1 D9.1 D10.1 D11.1 D12.1 D13.1 D14.1 D15.1 D16.1 D17.1 WeAct RP2040-Pico.32
/row1: D18.1 D19.1 D20.1 D21.1 D22.1 D23.1 D24.1 D25.1 D26.1 D27.1 D28.1 D29.1 D30.1 D31.1 D32.1 D33.1 WeAct RP2040-Pico.31
/row2: D34.1 D35.1 D36.1 D37.1 D38.1 D39.1 D40.1 D41.1 D42.1 D43.1 D44.1 D45.1 D46.1 D47.1 D48.1 D49.1 WeAct RP2040-Pico.30
/row3: D50.1 D51.1 D52.1 D53.1 D54.1 D55.1 D56.1 D57.1 D58.1 D59.1 D60.1 D61.1 D62.1 D63.1 D64.1 WeAct RP2040-Pico.29
/row4: D65.1 D66.1 D67.1 D68.1 D69.1 D70.1 D71.1 D72.1 D73.1 D74.1 D75.1 D76.1 D77.1 D78.1 D79.1 WeAct RP2040-Pico.27
/row5: D80.1 D81.1 D82.1 D83.1 D84.1 D85.1 D86.1 D87.1 D88.1 D89.1 D90.1 D91.1 D92.1 WeAct RP2040-Pico.26
/UART_CONNECT: UART Connector.2 WeAct RP2040-Pico.25
/VSYS: WeAct RP2040-Pico.39
Net-(D1-Pad2): D1.2 SW1.1
Net-(D2-Pad2): D2.2 SW2.1
Net-(D3-Pad2): D3.2 SW3.1
Net-(D4-Pad2): D4.2 SW4.1
Net-(D5-Pad2): D5.2 SW5.1
Net-(D6-Pad2): D6.2 SW6.1
Net-(D7-Pad2): D7.2 SW7.1
Net-(D8-Pad2): D8.2 SW8.1
Net-(D9-Pad2): D9.2 SW9.1
Net-(D10-Pad2): D10.2 SW10.1
Net-(D11-Pad2): D11.2 SW11.1
Net-(D12-Pad2): D12.2 SW12.1
Net-(D13-Pad2): D13.2 SW13.1
Net-(D14-Pad2): D14.2 SW14.1
Net-(D15-Pad2): D15.2 SW15.1
Net-(D16-Pad2): D16.2 SW16.1
Net-(D17-Pad2): D17.2 SW17.S2 SW17b1.2
Net-(D18-Pad2): D18.2 SW18.1
Net-(D19-Pad2): D19.2 SW19.1
Net-(D20-Pad2): D20.2 SW20.1
Net-(D21-Pad2): D21.2 SW21.1
Net-(D22-Pad2): D22.2 SW22.1
Net-(D23-Pad2): D23.2 SW23.1
Net-(D24-Pad2): D24.2 SW24.1
Net-(D25-Pad2): D25.2 SW25.1
Net-(D26-Pad2): D26.2 SW26.1
Net-(D27-Pad2): D27.2 SW27.1
Net-(D28-Pad2): D28.2 SW28.1
Net-(D29-Pad2): D29.2 SW29.1
Net-(D30-Pad2): D30.2 SW30.1
Net-(D31-Pad2): D31.2 SW31.1
Net-(D32-Pad2): D32.2 SW32.1
Net-(D33-Pad2): D33.2 SW33.1
Net-(D34-Pad2): D34.2 SW34.1
Net-(D35-Pad2): D35.2 SW35.1
Net-(D36-Pad2): D36.2 SW36.1
Net-(D37-Pad2): D37.2 SW37.1
Net-(D38-Pad2): D38.2 SW38.1
Net-(D39-Pad2): D39.2 SW39.1
Net-(D40-Pad2): D40.2 SW40.1
Net-(D41-Pad2): D41.2 SW41.1
Net-(D42-Pad2): D42.2 SW42.1
Net-(D43-Pad2): D43.2 SW43.1
Net-(D44-Pad2): D44.2 SW44.1
Net-(D45-Pad2): D45.2 SW45.1
Net-(D46-Pad2): D46.2 SW46.1
Net-(D47-Pad2): D47.2 SW47.1
Net-(D48-Pad2): D48.2 SW48.1
Net-(D49-Pad2): D49.2 SW49.1
Net-(D50-Pad2): D50.2 SW50.1
Net-(D51-Pad2): D51.2 SW51.1
Net-(D52-Pad2): D52.2 SW52.1
Net-(D53-Pad2): D53.2 SW53.1
Net-(D54-Pad2): D54.2 SW54.1
Net-(D55-Pad2): D55.2 SW55.1
Net-(D56-Pad2): D56.2 SW56.1
Net-(D57-Pad2): D57.2 SW57.1
Net-(D58-Pad2): D58.2 SW58.1
Net-(D59-Pad2): D59.2 SW59.1
Net-(D60-Pad2): D60.2 SW60.1
Net-(D61-Pad2): D61.2 SW61.1
Net-(D62-Pad2): D62.2 SW62.1
Net-(D63-Pad2): D63.2 SW63.1
Net-(D64-Pad2): D64.2 SW64.1
Net-(D65-Pad2): D65.2 SW65.1
Net-(D66-Pad2): D66.2 SW66.1
Net-(D67-Pad2): D67.2 SW67.1
Net-(D68-Pad2): D68.2 SW68.1
Net-(D69-Pad2): D69.2 SW69.1
Net-(D70-Pad2): D70.2 SW70.1
Net-(D71-Pad2): D71.2 SW71.1
Net-(D72-Pad2): D72.2 SW72.1
Net-(D73-Pad2): D73.2 SW73.1
Net-(D74-Pad2): D74.2 SW74.1
Net-(D75-Pad2): D75.2 SW75.1
Net-(D76-Pad2): D76.2 SW76.1
Net-(D77-Pad2): D77.2 SW77.1
Net-(D78-Pad2): D78.2 SW78.1
Net-(D79-Pad2): D79.2 SW79.1
Net-(D80-Pad2): D80.2 SW80.1
Net-(D81-Pad2): D81.2 SW81.1
Net-(D82-Pad2): D82.2 SW82.1
Net-(D83-Pad2): D83.2 SW83.1
Net-(D84-Pad2): D84.2 SW84.1
Net-(D85-Pad2): D85.2 SW85.1
Net-(D86-Pad2): D86.2 SW86.1
Net-(D87-Pad2): D87.2 SW87.1
Net-(D88-Pad2): D88.2 SW88.1
Net-(D89-Pad2): D89.2 SW89.1
Net-(D90-Pad2): D90.2 SW90.1
Net-(D91-Pad2): D91.2 SW91.1
Net-(D92-Pad2): D92.2 SW92.1
Net-(R1-Pad1): R1.1 WeAct RP2040-Pico.22
Net-(SW1-Pad5): SW1.5 SW2.4
Net-(SW2-Pad5): SW2.5 SW3.4
Net-(SW3-Pad5): SW3.5 SW4.4
Net-(SW4-Pad5): SW4.5 SW5.4
Net-(SW5-Pad5): SW5.5 SW6.4
Net-(SW6-Pad5): SW6.5 SW7.4
Net-(SW7-Pad5): SW7.5 SW8.4
Net-(SW8-Pad5): SW8.5 SW9.4
Net-(SW10-Pad4): SW9.5 SW10.4
Net-(SW10-Pad5): SW10.5 SW11.4
Net-(SW11-Pad5): SW11.5 SW12.4
Net-(SW12-Pad5): SW12.5 SW13.4
Net-(SW13-Pad5): SW13.5 SW14.4
Net-(SW14-Pad5): SW14.5 SW15.4
Net-(SW15-Pad5): SW15.5 SW16.4
Net-(SW16-Pad5): SW16.5 SW18.4
Net-(SW18-Pad5): SW18.5 SW19.4
Net-(SW19-Pad5): SW19.5 SW20.4
Net-(SW20-Pad5): SW20.5 SW21.4
Net-(SW21-Pad5): SW21.5 SW22.4
Net-(SW22-Pad5): SW22.5 SW23.4
Net-(SW23-Pad5): SW23.5 SW24.4
Net-(SW24-Pad5): SW24.5 SW25.4
Net-(SW25-Pad5): SW25.5 SW26.4
Net-(SW26-Pad5): SW26.5 SW27.4
Net-(SW27-Pad5): SW27.5 SW28.4
Net-(SW28-Pad5): SW28.5 SW29.4
Net-(SW29-Pad5): SW29.5 SW30.4
Net-(SW30-Pad5): SW30.5 SW31.4
Net-(SW31-Pad5): SW31.5 SW32.4
Net-(SW32-Pad5): SW32.5 SW33.4
Net-(SW33-Pad5): SW33.5 SW34.4
Net-(SW34-Pad5): SW34.5 SW35.4
Net-(SW35-Pad5): SW35.5 SW36.4
Net-(SW36-Pad5): SW36.5 SW37.4
Net-(SW37-Pad5): SW37.5 SW38.4
Net-(SW38-Pad5): SW38.5 SW39.4
Net-(SW39-Pad5): SW39.5 SW40.4
Net-(SW40-Pad5): SW40.5 SW41.4
Net-(SW41-Pad5): SW41.5 SW42.4
Net-(SW42-Pad5): SW42.5 SW43.4
Net-(SW43-Pad5): SW43.5 SW44.4
Net-(SW44-Pad5): SW44.5 SW45.4
Net-(SW45-Pad5): SW45.5 SW46.4
Net-(SW46-Pad5): SW46.5 SW47.4
Net-(SW47-Pad5): SW47.5 SW48.4
Net-(SW48-Pad5): SW48.5 SW49.4
Net-(SW49-Pad5): SW49.5 SW50.4
Net-(SW50-Pad5): SW50.5 SW51.4